# Altium PCB LED fix910 RD 2000278 (4F00223A_7P00493A).PcbDoc (part 3 of 3)
Units mm, origin at the board's own origin, x right, y up, seen from the top; angles counter-clockwise.
Board outline 400 x 514 mm, 2 copper layers (Top Layer, Bottom Layer); 391 components, 180 nets, 1316 pads, 0 vias.
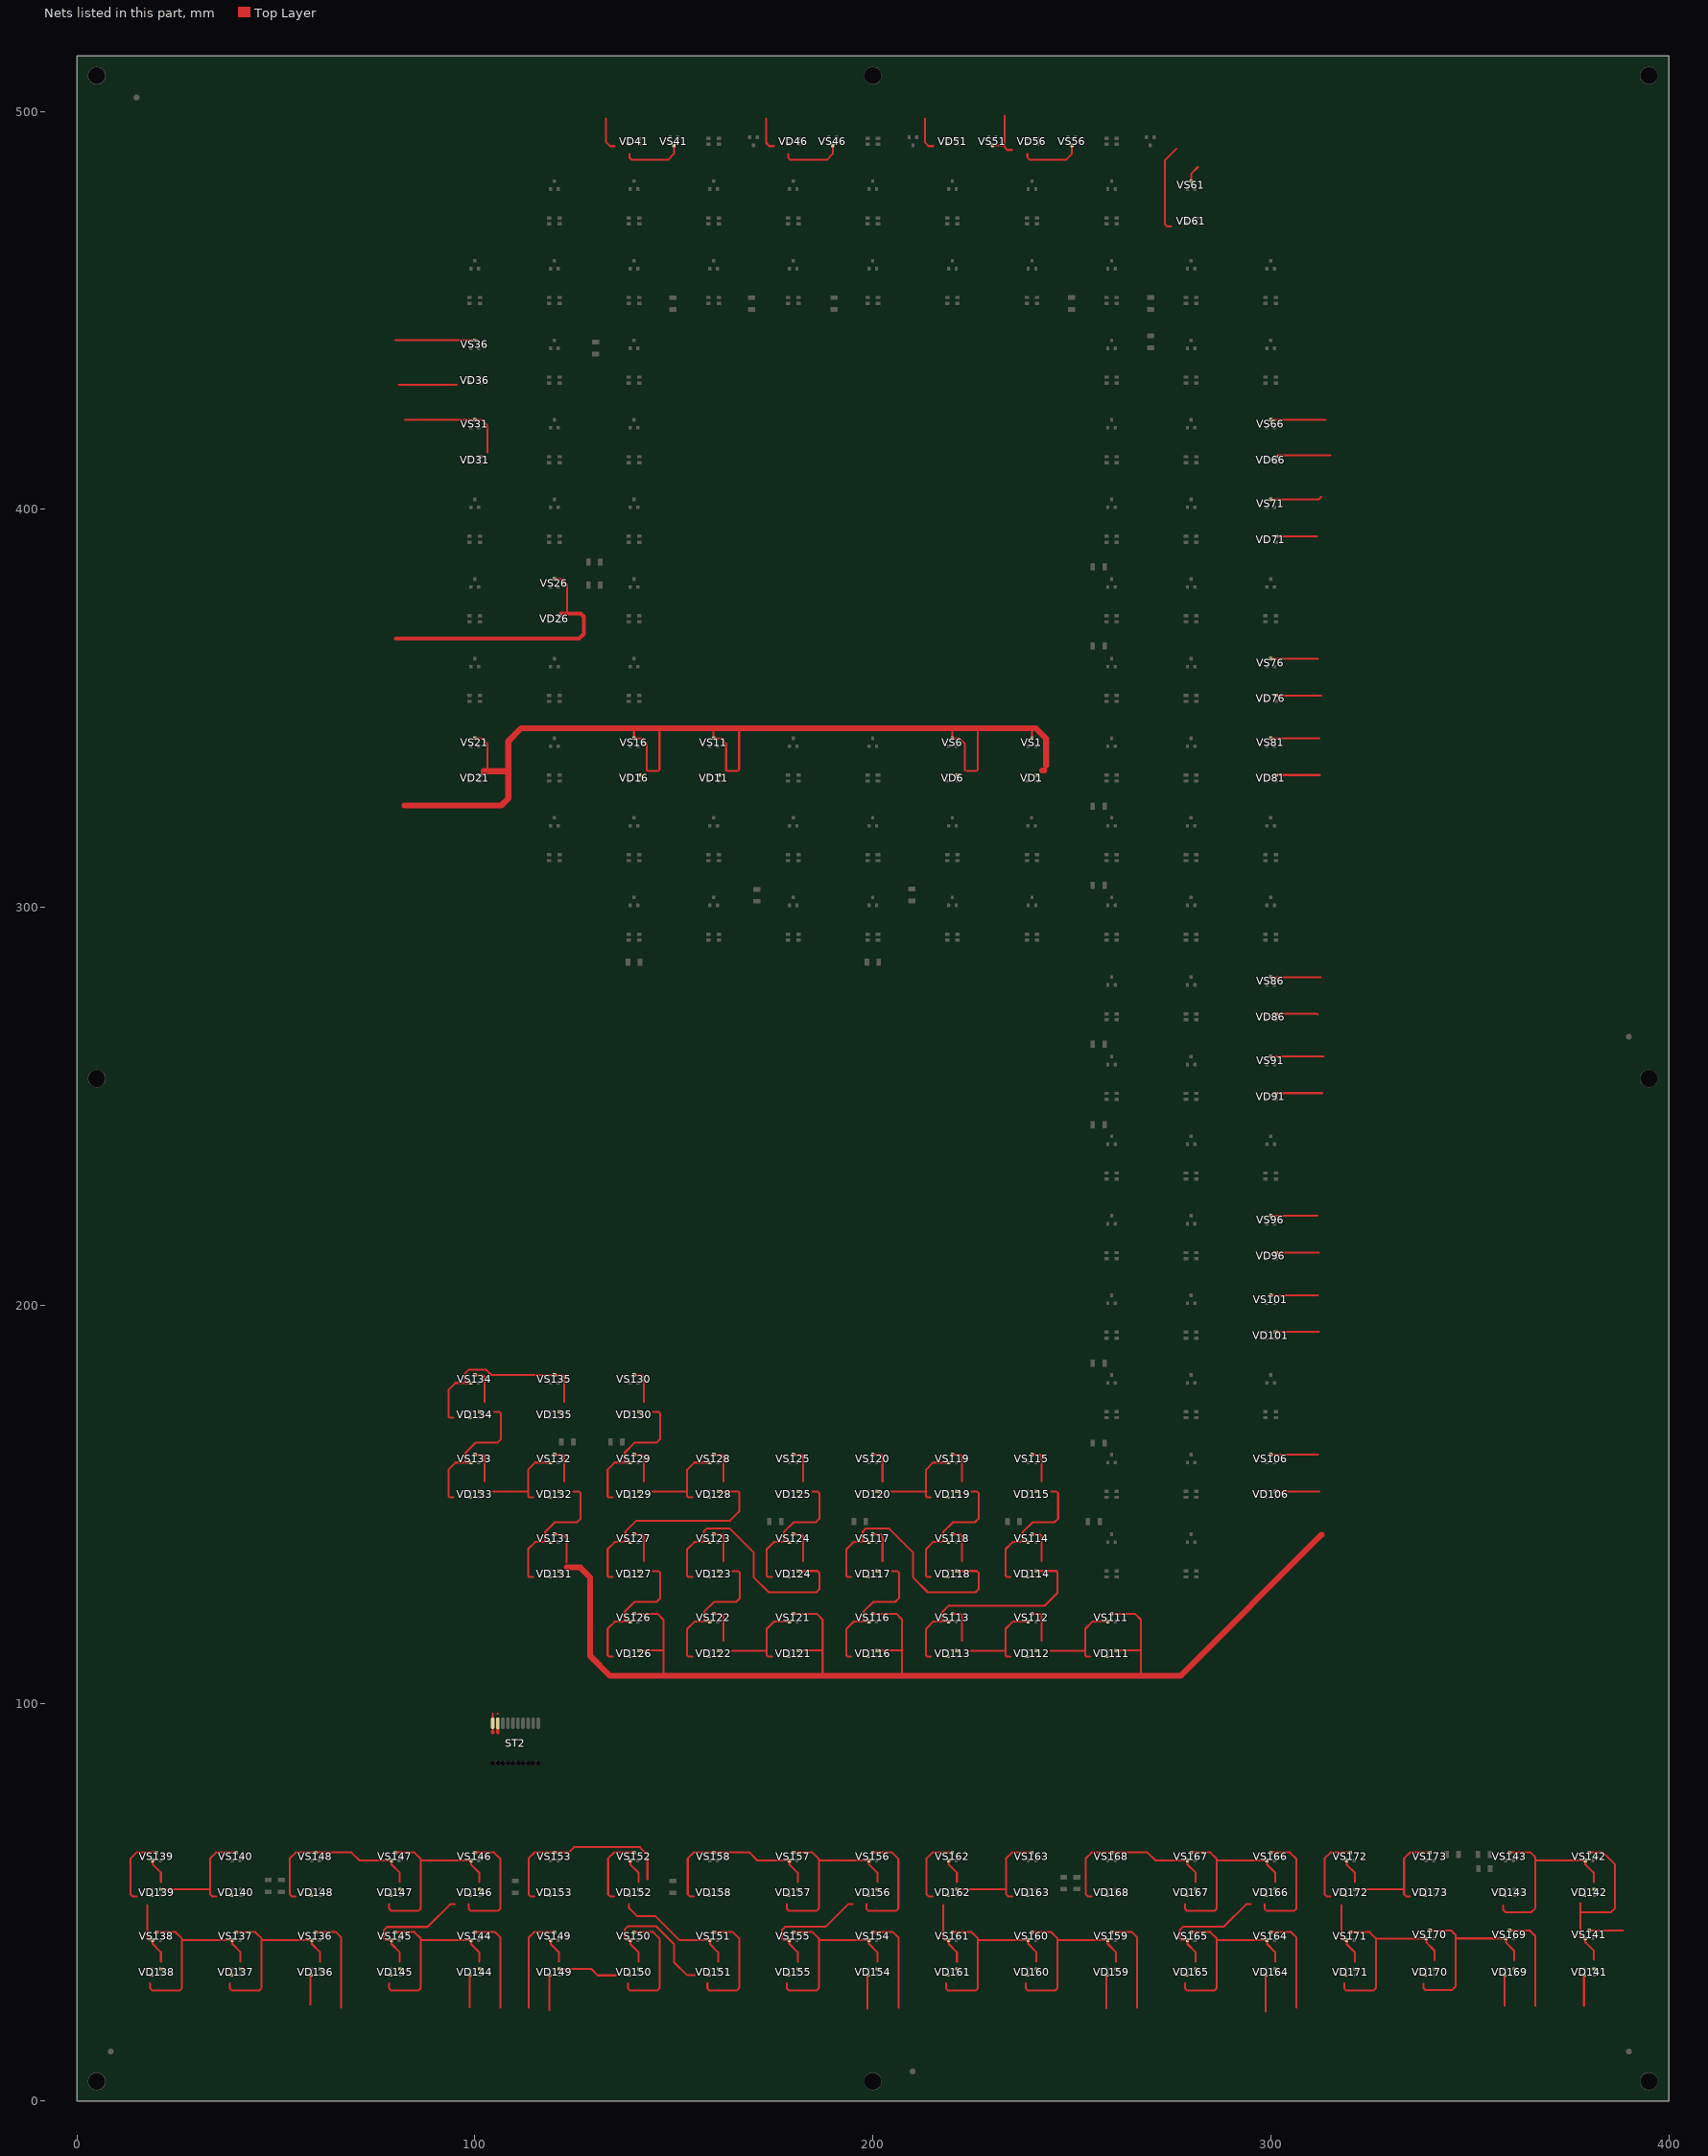
[diagram p3: the nets of this part, all layers, seen from the top]

## Nets (pads, with @x,y where several pads share a name; then routed paths per layer and width w, separated by ;. In a path a pad name is that pad's centre, name@x,y a point inside that pad or via, vN(x,y) a via of type N, cw(c..) or ccw(c..) an arc to the next point about the centre after c; other vN are vias at no path point) (continued)
NetVD111_1: VD111.1 VD112.2 VS111.1 VS112.3 | length 32.1
  Top Layer w0.5: VS112.3@240,122.5 242.025,122.5 242.45,122.075 242.45,115.75 ; 244.675,113.225 253.3,113.225 253.375,113.15 ; 254.6,111.75 253.668,111.75 253.375,112.043 253.375,113.15 ; VS111.1@259.05,120.5 255.15,120.5 253.375,118.725 253.375,113.15
NetVD112_1: VD112.1 VD113.2 VS112.1 VS113.3 | length 32.1
  Top Layer w0.5: VS113.3@220,122.5 222.025,122.5 222.45,122.075 222.45,115.75 ; 224.675,113.225 233.3,113.225 233.375,113.15 ; 234.6,111.75 233.668,111.75 233.375,112.043 233.375,113.15 ; VS112.1@239.05,120.5 235.15,120.5 233.375,118.725 233.375,113.15
NetVD113_1: VD113.1 VD114.2 VS113.1 VS114.3 | length 67.3
  Top Layer w0.5: 214.6,111.75 213.668,111.75 213.375,112.043 213.375,118.725 215.15,120.5 217.5,120.5 ; VS113.1@219.05,120.5 217.5,120.5 ; VS114.3@240,142.5 242.025,142.5 242.45,142.075 242.45,135.75 ; VD114.2@241.3,133.25 246.107,133.25 246.4,132.957 246.4,127.7 243.25,124.55 219.1,124.55 217.35,122.8 217.35,120.65 217.5,120.5
NetVD114_1: VD114.1 VD115.2 VS114.1 VS115.3 | length 44.5
  Top Layer w0.5: 234.6,131.75 233.668,131.75 233.375,132.043 233.375,138.725 235.15,140.5 VS114.1@239.05,140.5 ; 237.65,140.5 237.65,142.975 240.15,145.475 245.65,145.475 246.575,146.4 246.575,152.775 246.125,153.225 244.819,153.225 ; VS115.3@240,162.5 242.025,162.5 242.45,162.075 242.45,155.75
NetVD116_1: VD116.1 VD117.2 VS116.1 VS117.3 | length 44.5
  Top Layer w0.5: 194.6,111.75 193.668,111.75 193.375,112.043 193.375,118.725 195.15,120.5 VS116.1@199.05,120.5 ; 197.65,120.5 197.65,122.975 200.15,125.475 205.65,125.475 206.575,126.4 206.575,132.775 206.125,133.225 204.819,133.225 ; VS117.3@200,142.5 202.025,142.5 202.45,142.075 202.45,135.75
NetVD117_1: VD117.1 VD118.2 VS117.1 VS118.3 | length 75.7
  Top Layer w0.5: 194.6,131.75 193.668,131.75 193.375,132.043 193.375,138.725 195.15,140.5 VS117.1@199.05,140.5 ; 197.5,140.5 197.5,143.15 198.3,143.95 204,143.95 210.125,137.825 210.125,131.6 213.85,127.875 225.775,127.875 226.575,128.675 226.575,132.775 226.1,133.25 VD118.2@221.3,133.25 ; VS118.3@220,142.5 222.025,142.5 222.45,142.075 222.45,135.75
NetVD118_1: VD118.1 VD119.2 VS118.1 VS119.3 | length 44.5
  Top Layer w0.5: 214.6,131.75 213.668,131.75 213.375,132.043 213.375,138.725 215.15,140.5 VS118.1@219.05,140.5 ; 217.65,140.5 217.65,142.975 220.15,145.475 225.65,145.475 226.575,146.4 226.575,152.775 226.125,153.225 224.819,153.225 ; VS119.3@220,162.5 222.025,162.5 222.45,162.075 222.45,155.75
NetVD119_1: VD119.1 VD120.2 VS119.1 VS120.3 | length 32.1
  Top Layer w0.5: VS120.3@200,162.5 202.025,162.5 202.45,162.075 202.45,155.75 ; 204.675,153.225 213.3,153.225 213.375,153.15 ; 214.6,151.75 213.668,151.75 213.375,152.043 213.375,153.15 ; VS119.1@219.05,160.5 215.15,160.5 213.375,158.725 213.375,153.15
NetVD121_1: VD121.1 VD122.2 VS121.1 VS122.3 | length 32.1
  Top Layer w0.5: VS122.3@160,122.5 162.025,122.5 162.45,122.075 162.45,115.75 ; 164.675,113.225 173.3,113.225 173.375,113.15 ; 174.6,111.75 173.668,111.75 173.375,112.043 173.375,113.15 ; VS121.1@179.05,120.5 175.15,120.5 173.375,118.725 173.375,113.15
NetVD122_1: VD122.1 VD123.2 VS122.1 VS123.3 | length 44.5
  Top Layer w0.5: 154.6,111.75 153.668,111.75 153.375,112.043 153.375,118.725 155.15,120.5 VS122.1@159.05,120.5 ; 157.65,120.5 157.65,122.975 160.15,125.475 165.65,125.475 166.575,126.4 166.575,132.775 166.125,133.225 164.819,133.225 ; VS123.3@160,142.5 162.025,142.5 162.45,142.075 162.45,135.75
NetVD123_1: VD123.1 VD124.2 VS123.1 VS124.3 | length 75.7
  Top Layer w0.5: 154.6,131.75 153.668,131.75 153.375,132.043 153.375,138.725 155.15,140.5 157.5,140.5 ; VS123.1@159.05,140.5 157.5,140.5 ; VS124.3@180,142.5 182.025,142.5 182.45,142.075 182.45,135.75 ; VD124.2@181.3,133.25 186.1,133.25 186.575,132.775 186.575,128.675 185.775,127.875 173.85,127.875 170.125,131.6 170.125,137.825 164,143.95 158.3,143.95 157.5,143.15 157.5,140.5
NetVD124_1: VD124.1 VD125.2 VS124.1 VS125.3 | length 44.5
  Top Layer w0.5: 174.6,131.75 173.668,131.75 173.375,132.043 173.375,138.725 175.15,140.5 VS124.1@179.05,140.5 ; 177.65,140.5 177.65,142.975 180.15,145.475 185.65,145.475 186.575,146.4 186.575,152.775 186.125,153.225 184.819,153.225 ; VS125.3@180,162.5 182.025,162.5 182.45,162.075 182.45,155.75
NetVD126_1: VD126.1 VD127.2 VS126.1 VS127.3 | length 44.5
  Top Layer w0.5: 134.6,111.75 133.668,111.75 133.375,112.043 133.375,118.725 135.15,120.5 VS126.1@139.05,120.5 ; 137.65,120.5 137.65,122.975 140.15,125.475 145.65,125.475 146.575,126.4 146.575,132.775 146.125,133.225 144.819,133.225 ; VS127.3@140,142.5 142.025,142.5 142.45,142.075 142.45,135.75
NetVD127_1: VD127.1 VD128.2 VS127.1 VS128.3 | length 66.8
  Top Layer w0.5: 134.6,131.75 133.668,131.75 133.375,132.043 133.375,138.725 135.15,140.5 137.75,140.5 ; VS127.1@139.05,140.5 137.75,140.5 ; VS128.3@160,162.5 162.025,162.5 162.45,162.075 162.45,155.75 ; VD128.2@161.3,153.25 166.157,153.25 166.45,152.957 166.45,148.175 164.15,145.875 140.575,145.875 137.825,143.125 137.825,140.575 137.75,140.5
NetVD128_1: VD128.1 VD129.2 VS128.1 VS129.3 | length 32.1
  Top Layer w0.5: VS129.3@140,162.5 142.025,162.5 142.45,162.075 142.45,155.75 ; 144.675,153.225 153.3,153.225 153.375,153.15 ; 154.6,151.75 153.668,151.75 153.375,152.043 153.375,153.15 ; VS128.1@159.05,160.5 155.15,160.5 153.375,158.725 153.375,153.15
NetVD129_1: VD129.1 VD130.2 VS129.1 VS130.3 | length 44.5
  Top Layer w0.5: 134.6,151.75 133.668,151.75 133.375,152.043 133.375,158.725 135.15,160.5 VS129.1@139.05,160.5 ; 137.65,160.5 137.65,162.975 140.15,165.475 145.65,165.475 146.575,166.4 146.575,172.775 146.125,173.225 144.819,173.225 ; VS130.3@140,182.5 142.025,182.5 142.45,182.075 142.45,175.75
NetVD131_1: VD131.1 VD132.2 VS131.1 VS132.3 | length 44.5
  Top Layer w0.5: 114.6,131.75 113.668,131.75 113.375,132.043 113.375,138.725 115.15,140.5 VS131.1@119.05,140.5 ; 117.65,140.5 117.65,142.975 120.15,145.475 125.65,145.475 126.575,146.4 126.575,152.775 126.125,153.225 124.819,153.225 ; VS132.3@120,162.5 122.025,162.5 122.45,162.075 122.45,155.75
NetVD132_1: VD132.1 VD133.2 VS132.1 VS133.3 | length 32.1
  Top Layer w0.5: VS133.3@100,162.5 102.025,162.5 102.45,162.075 102.45,155.75 ; 104.675,153.225 113.3,153.225 113.375,153.15 ; 114.6,151.75 113.668,151.75 113.375,152.043 113.375,153.15 ; VS132.1@119.05,160.5 115.15,160.5 113.375,158.725 113.375,153.15
NetVD133_1: VD133.1 VD134.2 VS133.1 VS134.3 | length 44.5
  Top Layer w0.5: 94.6,151.75 93.668,151.75 93.375,152.043 93.375,158.725 95.15,160.5 97.65,160.5 ; VS133.1@99.05,160.5 97.65,160.5 ; VS134.3@100,182.5 102.025,182.5 102.45,182.075 102.45,175.75 ; 104.819,173.225 106.125,173.225 106.575,172.775 106.575,166.4 105.65,165.475 100.15,165.475 97.65,162.975 97.65,160.5
NetVD134_1: VD134.1 VD135.2 VS134.1 VS135.3 | length 49.1
  Top Layer w0.5: 94.6,171.75 93.668,171.75 93.375,172.043 93.375,178.725 95.15,180.5 97.55,180.5 ; VS134.1@99.05,180.5 97.55,180.5 ; 122.45,175.75 122.45,182.075 122.025,182.5 VS135.3@120,182.5 104.15,182.5 102.875,183.775 98.45,183.775 97.55,182.875 97.55,180.5
NetVD136_1: VD136.1 VD137.2 VS136.1 VS137.3 | length 48.1
  Top Layer w0.5: 38.45,29.575 38.45,28.35 39,27.8 45.8,27.8 46.425,28.425 46.425,40.575 46.425,40.9 44.825,42.5 VS137.3@40,42.5 ; 46.5,40.5 VS136.1@59.05,40.5 ; VS136.1@59.06,40.49 59.06,39.508 61.135,37.433 61.135,35.083
NetVD137_1: VD137.1 VD138.2 VS137.1 VS138.3 | length 48.2
  Top Layer w0.5: 18.45,29.575 18.45,28.35 19,27.8 25.8,27.8 26.425,28.425 26.425,40.575 ; VS138.3@20,42.5 24.825,42.5 26.425,40.9 26.425,40.575 ; VS137.1@39.05,40.5 26.5,40.5 26.425,40.575 ; VS137.1@39.06,40.49 39.06,39.508 41.135,37.433 41.135,35.083
NetVD138_1: VD138.1 VD139.2 VS138.1 VS139.3 | length 33.9
  Top Layer w0.5: 15,51.5 14,51.5 13.5,52 13.5,61 15,62.5 VS139.3@20,62.5 ; 17.75,49.292 17.75,40.967 18.208,40.51 VS138.1@19.04,40.51 ; VS138.1@19.06,40.49 19.06,39.508 21.135,37.433 21.135,35.083
NetVD139_1: VD139.1 VD140.2 VS139.1 VS140.3 | length 36.3
  Top Layer w0.5: VS139.1@19.06,60.49 19.06,59.508 21.135,57.433 21.135,55.083 ; VD139.1@21.3,53.25 33.475,53.25 33.5,53.225 ; 35,51.5 34,51.5 33.5,52 33.5,53.225 ; VS140.3@40,62.5 35,62.5 33.5,61 33.5,53.225
NetVD141_1: VD141.1 VD142.2 VS141.1 VS142.3 | length 44
  Top Layer w0.5: 377.75,49.7 377.75,47.5 ; VS142.3@380,62.5 383.5,62.5 386.5,59.5 386.5,48.5 385.5,47.5 377.75,47.5 ; 381.125,35.5 381.125,37.85 379.05,39.925 VS141.1@379.05,40.908 379.04,40.917 378.208,40.917 377.75,41.375 377.75,47.5
NetVD142_1: VD142.1 VD143.2 VS142.1 VS143.3 | length 48.4
  Top Layer w0.5: 358.35,49.125 358.35,48.125 358.975,47.5 365.5,47.5 366.5,48.5 366.5,60.525 ; VS143.3@360,62.5 365.275,62.5 366.5,61.275 366.5,60.525 ; VS142.1@379.05,60.5 366.525,60.5 366.5,60.525 ; VS142.1@379.06,60.49 379.06,59.508 381.135,57.433 381.135,55.083
NetVD144_1: VD144.1 VD145.2 VS144.1 VS145.3 | length 48.1
  Top Layer w0.5: 78.45,29.575 78.45,28.35 79,27.8 85.8,27.8 86.425,28.425 86.425,40.575 86.425,40.9 84.825,42.5 VS145.3@80,42.5 ; 86.5,40.5 VS144.1@99.05,40.5 ; VS144.1@99.06,40.49 99.06,39.508 101.135,37.433 101.135,35.083
NetVD145_1: VD145.1 VD146.2 VS145.1 VS146.3 | length 60.1
  Top Layer w0.5: VS145.1@79.05,40.5 77.525,40.5 77.2,40.825 77.2,43.05 77.95,43.8 88.1,43.8 93.8,49.5 94.95,49.5 ; VS145.1@79.06,40.49 79.06,39.508 81.135,37.433 81.135,35.083 ; 98.45,49.575 98.45,48.35 99,47.8 105.8,47.8 106.425,48.425 106.425,60.9 104.825,62.5 VS146.3@100,62.5
NetVD146_1: VD146.1 VD147.2 VS146.1 VS147.3 | length 48.1
  Top Layer w0.5: 78.45,49.575 78.45,48.35 79,47.8 85.8,47.8 86.425,48.425 86.425,60.575 86.425,60.9 84.825,62.5 VS147.3@80,62.5 ; 86.5,60.5 VS146.1@99.05,60.5 ; VS146.1@99.06,60.49 99.06,59.508 101.135,57.433 101.135,55.083
NetVD147_1: VD147.1 VD148.2 VS147.1 VS148.3 | length 44
  Top Layer w0.5: 55,51.5 54,51.5 53.5,52 53.5,61 55,62.5 VS148.3@60,62.5 69.025,62.5 71.025,60.5 VS147.1@79.05,60.5 ; VS147.1@79.06,60.49 79.06,59.508 81.135,57.433 81.135,55.083
NetVD149_1: VD149.1 VD150.2 VS149.1 VS150.3 | length 50.3
  Top Layer w0.5: VS149.1@119.06,40.49 119.06,39.508 121.135,37.433 121.135,35.083 ; VD149.1@121.3,33.25 129.25,33.25 130.875,31.625 135.375,31.625 ; 138.45,29.575 138.45,28.35 139,27.8 145.8,27.8 146.425,28.425 146.425,40.9 144.825,42.5 VS150.3@140,42.5
NetVD150_1: VD150.1 VD151.2 VS150.1 VS151.3 | length 64.9
  Top Layer w0.5: VS150.1@139.05,40.5 139.036,40.514 138.211,40.514 137.625,41.1 137.625,43.05 138.575,44 145.5,44 150.075,39.425 150.075,34.9 153.275,31.7 155.242,31.7 ; VS150.1@139.06,40.49 139.06,39.508 141.135,37.433 141.135,35.083 ; 158.45,29.575 158.45,28.35 159,27.8 165.8,27.8 166.425,28.425 166.425,40.9 164.825,42.5 VS151.3@160,42.5
NetVD151_1: VD151.1 VD152.2 VS151.1 VS152.3 | length 48.7
  Top Layer w0.5: 135,51.5 134,51.5 133.5,52 133.5,61 135,62.5 VS152.3@140,62.5 ; 138.775,49.475 138.775,48.5 140.725,46.55 145.325,46.55 151.375,40.5 VS151.1@159.05,40.5 ; VS151.1@159.06,40.49 159.06,39.508 161.135,37.433 161.135,35.083
NetVD152_1: VD152.1 VD153.2 VS152.1 VS153.3 | length 54.9
  Top Layer w0.5: 115,51.5 114,51.5 113.5,52 113.5,61 115,62.5 VS153.3@120,62.5 123.575,62.5 124.9,63.825 141.475,63.825 143.375,61.925 143.375,55.825 ; VS152.1@139.06,60.49 139.06,59.508 141.135,57.433 141.135,55.083
NetVD154_1: VD154.1 VD155.2 VS154.1 VS155.3 | length 48.1
  Top Layer w0.5: 178.45,29.575 178.45,28.35 179,27.8 185.8,27.8 186.425,28.425 186.425,40.575 186.425,40.9 184.825,42.5 VS155.3@180,42.5 ; 186.5,40.5 VS154.1@199.05,40.5 ; VS154.1@199.06,40.49 199.06,39.508 201.135,37.433 201.135,35.083
NetVD155_1: VD155.1 VD156.2 VS155.1 VS156.3 | length 60.1
  Top Layer w0.5: VS155.1@179.04,40.51 177.515,40.51 177.19,40.835 177.19,43.06 177.94,43.81 188.09,43.81 193.79,49.51 194.94,49.51 ; VS155.1@179.06,40.49 179.06,39.508 181.135,37.433 181.135,35.083 ; 198.45,49.575 198.45,48.35 199,47.8 205.8,47.8 206.425,48.425 206.425,60.575 206.425,60.9 204.825,62.5 VS156.3@200,62.5
NetVD156_1: VD156.1 VD157.2 VS156.1 VS157.3 | length 48.1
  Top Layer w0.5: 178.45,49.575 178.45,48.35 179,47.8 185.8,47.8 186.425,48.425 186.425,60.575 186.425,60.9 184.825,62.5 VS157.3@180,62.5 ; 186.5,60.5 VS156.1@199.05,60.5 ; VS156.1@199.06,60.49 199.06,59.508 201.135,57.433 201.135,55.083
NetVD157_1: VD157.1 VD158.2 VS157.1 VS158.3 | length 44
  Top Layer w0.5: 155,51.5 154,51.5 153.5,52 153.5,53.225 153.5,61 155,62.5 VS158.3@160,62.5 169.025,62.5 171.025,60.5 VS157.1@179.05,60.5 ; VS157.1@179.06,60.49 179.06,59.508 181.135,57.433 181.135,55.083
NetVD159_1: VD159.1 VD160.2 VS159.1 VS160.3 | length 48.1
  Top Layer w0.5: 238.45,29.575 238.45,28.35 239,27.8 245.8,27.8 246.425,28.425 246.425,40.575 246.425,40.9 244.825,42.5 VS160.3@240,42.5 ; 246.5,40.5 VS159.1@259.05,40.5 ; VS159.1@259.06,40.49 259.06,39.508 261.135,37.433 261.135,35.083
NetVD160_1: VD160.1 VD161.2 VS160.1 VS161.3 | length 48.1
  Top Layer w0.5: 218.45,29.575 218.45,28.35 219,27.8 225.8,27.8 226.425,28.425 226.425,40.575 226.425,40.9 224.825,42.5 VS161.3@220,42.5 ; 226.5,40.5 VS160.1@239.05,40.5 ; VS160.1@239.06,40.49 239.06,39.508 241.135,37.433 241.135,35.083
NetVD161_1: VD161.1 VD162.2 VS161.1 VS162.3 | length 33.9
  Top Layer w0.5: 215,51.5 214,51.5 213.5,52 213.5,53.225 213.5,61 215,62.5 VS162.3@220,62.5 ; 217.75,49.292 217.75,40.967 218.208,40.51 VS161.1@219.04,40.51 ; VS161.1@219.06,40.49 219.06,39.508 221.135,37.433 221.135,35.083
NetVD162_1: VD162.1 VD163.2 VS162.1 VS163.3 | length 36.3
  Top Layer w0.5: VS162.1@219.06,60.49 219.06,59.508 221.135,57.433 221.135,55.083 ; VD162.1@221.3,53.25 233.475,53.25 233.5,53.225 ; 235,51.5 234,51.5 233.5,52 233.5,53.225 ; VS163.3@240,62.5 235,62.5 233.5,61 233.5,53.225
NetVD164_1: VD164.1 VD165.2 VS164.1 VS165.3 | length 48.1
  Top Layer w0.5: 278.45,29.575 278.45,28.35 279,27.8 285.8,27.8 286.425,28.425 286.425,40.575 286.425,40.9 284.825,42.5 VS165.3@280,42.5 ; 286.5,40.5 VS164.1@299.05,40.5 ; VS164.1@299.06,40.49 299.06,39.508 301.135,37.433 301.135,35.083
NetVD165_1: VD165.1 VD166.2 VS165.1 VS166.3 | length 60.1
  Top Layer w0.5: VS165.1@279.04,40.51 277.515,40.51 277.19,40.835 277.19,43.06 277.94,43.81 288.09,43.81 293.79,49.51 294.94,49.51 ; VS165.1@279.06,40.49 279.06,39.508 281.135,37.433 281.135,35.083 ; 298.45,49.575 298.45,48.35 299,47.8 305.8,47.8 306.425,48.425 306.425,60.575 306.425,60.9 304.825,62.5 VS166.3@300,62.5
NetVD166_1: VD166.1 VD167.2 VS166.1 VS167.3 | length 48.1
  Top Layer w0.5: 278.45,49.575 278.45,48.35 279,47.8 285.8,47.8 286.425,48.425 286.425,60.575 286.425,60.9 284.825,62.5 VS167.3@280,62.5 ; 286.5,60.5 VS166.1@299.05,60.5 ; VS166.1@299.06,60.49 299.06,59.508 301.135,57.433 301.135,55.083
NetVD167_1: VD167.1 VD168.2 VS167.1 VS168.3 | length 44
  Top Layer w0.5: 255,51.5 254,51.5 253.5,52 253.5,53.225 253.5,61 255,62.5 VS168.3@260,62.5 269.025,62.5 271.025,60.5 VS167.1@279.05,60.5 ; VS167.1@279.06,60.49 279.06,59.508 281.135,57.433 281.135,55.083
NetVD169_1: VD169.1 VD170.2 VS169.1 VS170.3 | length 48.4
  Top Layer w0.5: 338.35,29.533 338.35,28.533 338.975,27.908 345.5,27.908 346.5,28.908 346.5,40.933 ; VS170.3@340,42.908 345.275,42.908 346.5,41.683 346.5,40.933 ; VS169.1@359.05,40.908 346.525,40.908 346.5,40.933 ; VS169.1@359.06,40.898 359.06,39.915 361.135,37.84 361.135,35.49
NetVD170_1: VD170.1 VD171.2 VS170.1 VS171.3 | length 48.2
  Top Layer w0.5: 318.45,29.575 318.45,28.35 319,27.8 325.8,27.8 326.425,28.425 326.425,40.9 324.825,42.5 VS171.3@320,42.5 ; 326.425,40.898 339.06,40.898 339.06,39.915 341.135,37.84 341.135,35.49
NetVD171_1: VD171.1 VD172.2 VS171.1 VS172.3 | length 33.9
  Top Layer w0.5: 315,51.5 314,51.5 313.5,52 313.5,53.225 313.5,61 315,62.5 VS172.3@320,62.5 ; 317.75,49.292 317.75,40.967 318.208,40.51 VS171.1@319.04,40.51 ; VS171.1@319.06,40.49 319.06,39.508 321.135,37.433 321.135,35.083
NetVD172_1: VD172.1 VD173.2 VS172.1 VS173.3 | length 36.3
  Top Layer w0.5: VS172.1@319.06,60.49 319.06,59.508 321.135,57.433 321.135,55.083 ; VD172.1@321.3,53.25 321.325,53.225 333.5,53.225 ; 335,51.5 334,51.5 333.5,52 333.5,53.225 ; VS173.3@340,62.5 335,62.5 333.5,61 333.5,53.225
ULED: ST2.1 ST2.2 VD1.2 VD6.2 VD11.2 VD16.2 VD21.2 VD26.2 VD31.2 VD36.2 VD41.2 VD46.2 VD51.2 VD56.2 VD61.2 VD66.2 VD71.2 VD76.2 VD81.2 VD86.2 VD91.2 VD96.2 VD101.2 VD106.2 VD111.2 VD116.2 VD121.2 VD126.2 VD131.2 VD136.2 VD141.2 VD144.2 VD149.2 VD154.2 VD159.2 VD164.2 VD169.2 VS1.3 VS6.3 VS11.3 VS16.3 VS21.3 VS26.3 VS31.3 VS36.3 VS41.3 VS46.3 VS51.3 VS56.3 VS61.3 VS66.3 VS71.3 VS76.3 VS81.3 VS86.3 VS91.3 VS96.3 VS101.3 VS106.3 VS111.3 VS116.3 VS121.3 VS126.3 VS131.3 VS136.3 VS141.3 VS144.3 VS149.3 VS154.3 VS159.3 VS164.3 VS169.3 | length 1342.3
  Top Layer w0.5: 58.625,24.4 58.7,24.475 VD136.2@58.7,31.75 ; VS136.3@60,42.5 65.092,42.5 66.45,41.142 66.45,23.542 ; 80.075,442.5 VS36.3@100,442.5 ; 80.925,431.275 95.4,431.275 ; 82.475,422.5 VS31.3@100,422.5 101.75,422.5 103.15,421.1 103.15,414.35 ; 98.7,23.625 VD144.2@98.7,31.75 ; VS144.3@100,42.5 105.092,42.5 106.45,41.142 106.45,23.542 ; VS21.3@100,342.5 101.75,342.5 103.15,341.1 103.15,334.35 ; 104.475,97.325 104.45,97.3 104.5,97.25 ST2.1@104.5,95 104.5,92.85 ; 105.77,92.63 105.9,92.5 ; 105.77,97.37 105.825,97.425 ; 113.55,23.542 113.55,41.142 114.907,42.5 VS149.3@120,42.5 ; 118.7,22.95 VD149.2@118.7,31.75 ; VS131.3@120,142.5 121.9,142.5 123.1,141.3 123.1,135.4 ; VS26.3@120,382.5 121.75,382.5 123.15,381.1 123.15,374.35 ; 132.9,498.225 132.9,492.4 134,491.3 135.15,491.3 ; 138.825,489.325 138.85,489.3 138.85,488.425 139.45,487.825 148.525,487.825 150.034,489.334 VS41.3@150.034,491.5 ; VS126.3@140,122.5 145.9,122.5 147.375,121.025 147.375,106.9 ; 140,345.025 VS16.3@140,342.5 141.75,342.5 143.15,341.1 143.15,334.35 ; VD126.2@141.3,113.25 147.35,113.25 ; 143.575,334.325 146.107,334.325 146.4,334.618 146.4,345.025 ; 160.025,345.025 160,345 VS11.3@160,342.5 161.75,342.5 163.15,341.1 163.15,334.35 ; 163.575,334.325 166.107,334.325 166.4,334.618 166.4,345.025 ; 173.225,498.276 173.225,492.075 174,491.3 175.15,491.3 ; 178.744,489.3 178.744,488.425 179.344,487.825 188.419,487.825 189.928,489.334 VS46.3@189.928,491.5 ; VS121.3@180,122.5 185.9,122.5 187.375,121.025 187.375,106.9 ; VD121.2@181.3,113.25 187.35,113.25 ; 198.7,23.2 VD154.2@198.7,31.75 ; VS154.3@200,42.5 205.092,42.5 206.45,41.142 206.45,23.542 ; VS116.3@200,122.5 205.9,122.5 207.375,121.025 207.375,106.9 ; VD116.2@201.3,113.25 207.35,113.25 ; 213.15,498.262 213.15,492.15 214,491.3 215.15,491.3 ; 219.925,345.025 220,344.95 VS6.3@220,342.5 221.75,342.5 223.15,341.1 223.15,334.35 ; 223.575,334.325 226.107,334.325 226.4,334.618 226.4,345.025 ; VS51.3@230.081,491.5 233.025,491.5 233.1,491.425 ; 233.15,498.95 233.15,490.95 233.775,490.325 234.95,490.325 ; 238.852,489.3 238.852,488.425 239.452,487.825 248.527,487.825 250.036,489.334 VS56.3@250.036,491.5 ; VS1.3@240,342.5 240,344.95 ; 243.575,335.65 243.7,335.525 ; 258.7,23.425 VD159.2@258.7,31.75 ; VS159.3@260,42.5 265.092,42.5 266.45,41.142 266.45,23.542 ; VS111.3@260,122.5 265.9,122.5 267.375,121.025 267.375,113.275 ; VD111.2@261.3,113.25 267.35,113.25 267.375,113.275 ; 267.375,106.9 267.375,113.275 ; 274.978,471.088 273.962,471.088 273.425,471.625 273.425,487.775 276.325,490.675 ; VS61.3@280,482.5 280,484.35 281.7,486.05 ; 298.7,22.5 VD164.2@298.7,31.75 ; VS164.3@300,42.5 305.092,42.5 306.45,41.142 306.45,23.542 ; VS106.3@300,162.5 311.85,162.5 ; VS101.3@300,202.5 311.9,202.5 ; VS96.3@300,222.5 311.725,222.5 ; VS91.3@300,262.5 313.3,262.5 ; VS86.3@300,282.5 300.025,282.475 312.575,282.475 ; VS81.3@300,342.5 312.25,342.5 ; VS76.3@300,362.5 311.85,362.5 ; VS71.3@300,402.5 312.05,402.5 312.7,403.15 ; VS66.3@300,422.5 313.725,422.5 ; VD106.2@301.3,153.25 312.25,153.25 ; VD101.2@301.3,193.25 301.4,193.35 312.1,193.35 ; VD96.2@301.3,213.25 312.05,213.25 ; VD91.2@301.3,253.25 301.375,253.325 312.9,253.325 ; VD86.2@301.3,273.25 311.625,273.25 311.775,273.1 ; VD81.2@301.3,333.25 312.375,333.25 ; VD76.2@301.3,353.25 301.325,353.225 312.725,353.225 ; VD71.2@301.3,393.25 311.525,393.25 311.55,393.275 ; VD66.2@301.3,413.25 301.45,413.25 301.825,413.625 315.025,413.625 ; 358.7,24 VD169.2@358.7,31.75 ; VS169.3@360,42.908 365.092,42.908 366.45,41.55 366.45,23.95 ; 378.7,24 VD141.2@378.7,31.75 ; VS141.3@380,42.908 380,42.9 380.025,42.875 388.5,42.875
  Top Layer w0.9: 104.5,92.63 104.5,92.85 ; 105.77,92.63 ST2.2@105.77,95
  Top Layer w1: 80.225,367.525 126.225,367.525 127.4,368.7 127.4,373.031 126.606,373.825 121.65,373.825
  Top Layer w1.5: 82.325,325.6 106.625,325.6 108.4,327.375 108.4,341.75 111.675,345.025 140,345.025 146.4,345.025 160.025,345.025 166.4,345.025 219.925,345.025 226.4,345.025 240.95,345.025 243.575,342.4 243.575,335.65 ; 102.2,334.2 108.025,334.2 ; 123.1,134.125 126.475,134.125 129,131.6 129,111.85 133.95,106.9 267.375,106.9 277.3,106.9 312.775,142.375 ; 242.525,334.4 243.15,334.4
pads on no net: 2.1 3.1 4.1 5.1 6.1 7.1 8.1 9.1 ST2.3 ST2.7 ST2.11 ST2.12 ST2.13 ST2.14 ST2.15 ST2.16 ST2.17 ST2.18 ST2.19 ST2.20 VD1.3 VD1.4 VD2.3 VD2.4 VD3.3 VD3.4 VD4.3 VD4.4 VD5.3 VD5.4 VD6.3 VD6.4 VD7.3 VD7.4 VD8.3 VD8.4 VD9.3 VD9.4 VD10.3 VD10.4 VD11.3 VD11.4 VD12.3 VD12.4 VD13.3 VD13.4 VD14.3 VD14.4 VD15.3 VD15.4 VD16.3 VD16.4 VD17.3 VD17.4 VD18.3 VD18.4 VD19.3 VD19.4 VD20.3 VD20.4 VD21.3 VD21.4 VD22.3 VD22.4 VD23.3 VD23.4 VD24.3 VD24.4 VD25.3 VD25.4 VD26.3 VD26.4 VD27.3 VD27.4 VD28.3 VD28.4 VD29.3 VD29.4 VD30.3 VD30.4 VD31.3 VD31.4 VD32.3 VD32.4 VD33.3 VD33.4 VD34.3 VD34.4 VD35.3 VD35.4 VD36.3 VD36.4 VD37.3 VD37.4 VD38.3 VD38.4 VD39.3 VD39.4 VD40.3 VD40.4 VD41.3 VD41.4 VD42.3 VD42.4 VD43.3 VD43.4 VD44.3 VD44.4 VD45.3 VD45.4 VD46.3 VD46.4 VD47.3 VD47.4 VD48.3 VD48.4 VD49.3 VD49.4 VD50.3 VD50.4 VD51.3 VD51.4 VD52.3 VD52.4 VD53.3 VD53.4 VD54.3 VD54.4 VD55.3 VD55.4 VD56.3 VD56.4 VD57.3 VD57.4 VD58.3 VD58.4 VD59.3 VD59.4 VD60.3 VD60.4 VD61.3 VD61.4 VD62.3 VD62.4 VD63.3 VD63.4 VD64.3 VD64.4 VD65.3 VD65.4 VD66.3 VD66.4 VD67.3 VD67.4 VD68.3 VD68.4 VD69.3 VD69.4 VD70.3 VD70.4 VD71.3 VD71.4 VD72.3 VD72.4 VD73.3 VD73.4 VD74.3 VD74.4 VD75.3 VD75.4 VD76.3 VD76.4 VD77.3 VD77.4 VD78.3 VD78.4 VD79.3 VD79.4 VD80.3 VD80.4 VD81.3 VD81.4 VD82.3 VD82.4 VD83.3 VD83.4 VD84.3 VD84.4 VD85.3 VD85.4 VD86.3 VD86.4 VD87.3 VD87.4 VD88.3 VD88.4 VD89.3 VD89.4 VD90.3 VD90.4 VD91.3 VD91.4 VD92.3 VD92.4 VD93.3 VD93.4 VD94.3 VD94.4 VD95.3 VD95.4 VD96.3 VD96.4 VD97.3 VD97.4 VD98.3 VD98.4 VD99.3 VD99.4 VD100.3 VD100.4 VD101.3 VD101.4 VD102.3 VD102.4 VD103.3 VD103.4 VD104.3 VD104.4 VD105.3 VD105.4 VD106.3 VD106.4 VD107.3 VD107.4 VD108.3 VD108.4 VD109.3 VD109.4 VD110.3 VD110.4 VD111.3 VD111.4 VD112.3 VD112.4 VD113.3 VD113.4 VD114.3 VD114.4 VD115.3 VD115.4 VD116.3 VD116.4 VD117.3 VD117.4 VD118.3 VD118.4 VD119.3 VD119.4 VD120.3 VD120.4 VD121.3 VD121.4 VD122.3 VD122.4 VD123.3 VD123.4 VD124.3 VD124.4 VD125.3 VD125.4 VD126.3 VD126.4 VD127.3 VD127.4 VD128.3 VD128.4 VD129.3 VD129.4 VD130.3 VD130.4 VD131.3 VD131.4 VD132.3 VD132.4 VD133.3 VD133.4 VD134.3 VD134.4 VD135.3 VD135.4 VD136.3 VD136.4 VD137.3 VD137.4 VD138.3 VD138.4 VD139.3 VD139.4 VD140.3 VD140.4 VD141.3 VD141.4 VD142.3 VD142.4 VD143.3 VD143.4 VD144.3 VD144.4 VD145.3 VD145.4 VD146.3 VD146.4 VD147.3 VD147.4 VD148.3 VD148.4 VD149.3 VD149.4 VD150.3 VD150.4 VD151.3 VD151.4 VD152.3 VD152.4 VD153.3 VD153.4 VD154.3 VD154.4 VD155.3 VD155.4 VD156.3 VD156.4 VD157.3 VD157.4 VD158.3 VD158.4 VD159.3 VD159.4 VD160.3 VD160.4 VD161.3 VD161.4 VD162.3 VD162.4 VD163.3 VD163.4 VD164.3 VD164.4 VD165.3 VD165.4 VD166.3 VD166.4 VD167.3 VD167.4 VD168.3 VD168.4 VD169.3 VD169.4 VD170.3 VD170.4 VD171.3 VD171.4 VD172.3 VD172.4 VD173.3 VD173.4 VS1.2 VS2.2 VS3.2 VS4.2 VS5.2 VS6.2 VS7.2 VS8.2 VS9.2 VS10.2 VS11.2 VS12.2 VS13.2 VS14.2 VS15.2 VS16.2 VS17.2 VS18.2 VS19.2 VS20.2 VS21.2 VS22.2 VS23.2 VS24.2 VS25.2 VS26.2 VS27.2 VS28.2 VS29.2 VS30.2 VS31.2 VS32.2 VS33.2 VS34.2 VS35.2 VS36.2 VS37.2 VS38.2 VS39.2 VS40.2 VS41.2 VS42.2 VS43.2 VS44.2 VS45.2 VS46.2 VS47.2 VS48.2 VS49.2 VS50.2 VS51.2 VS52.2 VS53.2 VS54.2 VS55.2 VS56.2 VS57.2 VS58.2 VS59.2 VS60.2 VS61.2 VS62.2 VS63.2 VS64.2 VS65.2 VS66.2 VS67.2 VS68.2 VS69.2 VS70.2 VS71.2 VS72.2 VS73.2 VS74.2 VS75.2 VS76.2 VS77.2 VS78.2 VS79.2 VS80.2 VS81.2 VS82.2 VS83.2 VS84.2 VS85.2 VS86.2 VS87.2 VS88.2 VS89.2 VS90.2 VS91.2 VS92.2 VS93.2 VS94.2 VS95.2 VS96.2 VS97.2 VS98.2 VS99.2 VS100.2 VS101.2 VS102.2 VS103.2 VS104.2 VS105.2 VS106.2 VS107.2 VS108.2 VS109.2 VS110.2 VS111.2 VS112.2 VS113.2 VS114.2 VS115.2 VS116.2 VS117.2 VS118.2 VS119.2 VS120.2 VS121.2 VS122.2 VS123.2 VS124.2 VS125.2 VS126.2 VS127.2 VS128.2 VS129.2 VS130.2 VS131.2 VS132.2 VS133.2 VS134.2 VS135.2 VS136.2 VS137.2 VS138.2 VS139.2 VS140.2 VS141.2 VS142.2 VS143.2 VS144.2 VS145.2 VS146.2 VS147.2 VS148.2 VS149.2 VS150.2 VS151.2 VS152.2 VS153.2 VS154.2 VS155.2 VS156.2 VS157.2 VS158.2 VS159.2 VS160.2 VS161.2 VS162.2 VS163.2 VS164.2 VS165.2 VS166.2 VS167.2 VS168.2 VS169.2 VS170.2 VS171.2 VS172.2 VS173.2
copper on no net: | length 136.9
  Top Layer w0.05: 71.863,81.157 ccw(c71.838,81.157) 71.863,81.157
  Top Layer w0.1: 68.545,82.18 69.079,82.18 ; 68.561,82.106 69.091,82.106 ; 68.578,82.031 69.103,82.031 ; 68.594,81.956 69.115,81.956 ; 68.611,81.882 69.126,81.882 ; 68.627,81.807 69.138,81.807 ; 68.643,81.732 69.15,81.732 ; 68.66,81.658 69.162,81.658 ; 68.676,81.583 69.173,81.583 ; 68.693,81.508 69.185,81.508 ; 68.709,81.434 69.197,81.434 ; 68.726,81.359 69.209,81.359 ; 68.742,81.284 69.221,81.284 ; 68.758,81.21 69.232,81.21 ; 68.775,81.135 69.244,81.135 ; 68.791,81.06 69.256,81.06 ; 68.808,80.986 69.268,80.986 ; 68.824,80.911 69.279,80.911 ; 68.84,80.836 69.291,80.836 ; 68.857,80.762 69.334,80.762 ; 68.873,80.687 69.744,80.687 ; 68.89,80.612 69.733,80.612 ; 68.906,80.538 69.722,80.538 ; 68.923,80.463 69.712,80.463 ; 68.939,80.388 69.701,80.388 ; 68.955,80.313 69.69,80.313 ; 68.972,80.239 69.679,80.239 ; 68.988,80.164 69.668,80.164 ; 69.005,80.089 69.658,80.089 ; 69.021,80.015 69.647,80.015 ; 69.037,79.94 69.636,79.94 ; 69.054,79.865 69.625,79.865 ; 69.355,80.762 69.755,80.762 ; 69.401,80.836 69.766,80.836 ; 69.413,80.911 69.776,80.911 ; 69.425,80.986 69.787,80.986 ; 69.437,81.06 69.798,81.06 ; 69.449,81.135 69.81,81.135 ; 69.46,81.21 70.254,81.21 ; 69.472,81.284 70.243,81.284 ; 69.484,81.359 70.231,81.359 ; 69.496,81.434 70.22,81.434 ; 69.508,81.508 70.208,81.508 ; 69.52,81.583 70.197,81.583 ; 69.531,81.658 70.186,81.658 ; 69.543,81.732 70.174,81.732 ; 69.555,81.807 70.163,81.807 ; 69.567,81.882 70.151,81.882 ; 69.579,81.956 70.14,81.956 ; 69.591,82.031 70.128,82.031 ; 69.603,82.106 70.117,82.106 ; 69.614,82.18 70.106,82.18 ; 69.902,81.135 70.265,81.135 ; 69.916,81.06 70.277,81.06 ; 69.927,80.986 70.288,80.986 ; 69.938,80.911 70.3,80.911 ; 69.949,80.836 70.311,80.836 ; 69.959,80.762 70.331,80.762 ; 69.97,80.687 70.839,80.687 ; 69.981,80.612 70.823,80.612 ; 69.992,80.538 70.806,80.538 ; 70.003,80.463 70.789,80.463 ; 70.013,80.388 70.773,80.388 ; 70.024,80.313 70.756,80.313 ; 70.035,80.239 70.739,80.239 ; 70.046,80.164 70.723,80.164 ; 70.057,80.089 70.706,80.089 ; 70.067,80.015 70.689,80.015 ; 70.078,79.94 70.673,79.94 ; 70.089,79.865 70.656,79.865 ; 70.404,80.762 70.856,80.762 ; 70.426,80.836 70.873,80.836 ; 70.438,80.911 70.889,80.911 ; 70.45,80.986 70.906,80.986 ; 70.462,81.06 70.923,81.06 ; 70.474,81.135 70.939,81.135 ; 70.486,81.21 70.956,81.21 ; 70.498,81.284 70.973,81.284 ; 70.51,81.359 70.989,81.359 ; 70.522,81.434 71.006,81.434 ; 70.534,81.508 71.023,81.508 ; 70.546,81.583 71.039,81.583 ; 70.558,81.658 71.056,81.658 ; 70.57,81.732 71.073,81.732 ; 70.582,81.807 71.089,81.807 ; 70.594,81.882 71.106,81.882 ; 70.606,81.956 71.123,81.956 ; 70.618,82.031 71.139,82.031 ; 70.63,82.106 71.156,82.106 ; 70.642,82.18 71.173,82.18 ; 71.359,79.851 71.844,79.851 ; 71.359,79.926 71.844,79.926 ; 71.359,80 71.844,80 ; 71.359,80.075 71.843,80.075 ; 71.359,80.15 71.843,80.15 ; 71.359,80.224 71.843,80.224 ; 71.359,80.299 71.842,80.299 ; 71.359,80.374 71.842,80.374 ; 71.359,80.448 71.842,80.448 ; 71.359,80.523 71.841,80.523 ; 71.359,80.598 71.841,80.598 ; 71.359,80.672 71.841,80.672 ; 71.359,80.747 71.84,80.747 ; 71.359,80.822 71.84,80.822 ; 71.359,80.896 71.84,80.896 ; 71.359,80.971 71.839,80.971 ; 71.359,81.046 71.839,81.046 ; 71.359,81.12 71.839,81.12 ; 71.359,81.195 71.859,81.195 ; 71.359,81.27 72.279,81.27 ; 71.359,81.344 72.265,81.344 ; 71.359,81.419 72.252,81.419 ; 71.359,81.494 72.238,81.494 ; 71.359,81.568 72.225,81.568 ; 71.359,81.643 72.211,81.643 ; 71.359,81.718 72.197,81.718 ; 71.359,81.792 72.184,81.792 ; 71.359,81.867 72.17,81.867 ; 71.359,81.942 72.157,81.942 ; 71.359,82.016 72.143,82.016 ; 71.359,82.091 72.129,82.091 ; 71.359,82.166 72.116,82.166 ; 71.92,81.195 72.293,81.195 ; 71.947,81.12 72.306,81.12 ; 71.962,81.046 72.32,81.046 ; 71.978,80.971 72.333,80.971 ; 71.993,80.896 72.347,80.896 ; 72.008,80.822 72.369,80.822 ; 72.024,80.747 72.783,80.747 ; 72.039,80.672 72.768,80.672 ; 72.055,80.598 72.753,80.598 ; 72.07,80.523 72.738,80.523 ; 72.085,80.448 72.723,80.448 ; 72.101,80.374 72.708,80.374 ; 72.116,80.299 72.693,80.299 ; 72.131,80.224 72.678,80.224 ; 72.147,80.15 72.663,80.15 ; 72.162,80.075 72.648,80.075 ; 72.177,80 72.633,80 ; 72.193,79.926 72.618,79.926 ; 72.208,79.851 72.603,79.851 ; 72.44,80.822 72.798,80.822 ; 72.464,80.896 72.813,80.896 ; 72.477,80.971 72.828,80.971 ; 72.491,81.046 72.843,81.046 ; 72.504,81.12 72.858,81.12 ; 72.517,81.195 72.888,81.195 ; 72.53,81.27 73.446,81.27 ; 72.544,81.344 73.446,81.344 ; 72.557,81.419 73.446,81.419 ; 72.57,81.494 73.446,81.494 ; 72.584,81.568 73.446,81.568 ; 72.597,81.643 73.446,81.643 ; 72.61,81.718 73.446,81.718 ; 72.623,81.792 73.446,81.792 ; 72.637,81.867 73.446,81.867 ; 72.65,81.942 73.446,81.942 ; 72.663,82.016 73.446,82.016 ; 72.677,82.091 73.446,82.091 ; 72.69,82.166 73.446,82.166 ; 72.945,81.195 73.446,81.195 ; 72.967,79.851 73.446,79.851 ; 72.967,79.926 73.446,79.926 ; 72.967,80 73.446,80 ; 72.967,80.075 73.446,80.075 ; 72.967,80.15 73.446,80.15 ; 72.967,80.224 73.446,80.224 ; 72.967,80.299 73.446,80.299 ; 72.967,80.374 73.446,80.374 ; 72.967,80.448 73.446,80.448 ; 72.967,80.523 73.446,80.523 ; 72.967,80.598 73.446,80.598 ; 72.967,80.672 73.446,80.672 ; 72.967,80.747 73.446,80.747 ; 72.967,80.822 73.446,80.822 ; 72.967,80.896 73.446,80.896 ; 72.967,80.971 73.446,80.971 ; 72.967,81.046 73.446,81.046 ; 72.967,81.12 73.446,81.12 ; 68.536,82.22 69.073,82.22 69.297,80.801 69.311,80.773 69.339,80.759 69.346,80.759 69.376,80.769 69.394,80.794 69.396,80.801 69.62,82.213 70.101,82.213 70.319,80.786 70.333,80.758 70.361,80.744 70.368,80.744 70.398,80.754 70.416,80.779 70.418,80.786 70.648,82.212 71.178,82.206 70.639,79.791 70.1,79.791 69.907,81.126 69.893,81.154 69.864,81.169 69.857,81.169 69.827,81.159 69.809,81.133 69.808,81.126 69.615,79.791 69.069,79.798 68.536,82.22 ; 71.359,79.783 71.844,79.783 71.838,81.157 71.842,81.175 71.862,81.199 71.893,81.207 71.922,81.194 71.937,81.167 72.222,79.783 72.589,79.783 72.867,81.167 72.875,81.184 72.899,81.204 72.931,81.205 72.957,81.187 72.967,81.157 72.967,79.783 73.446,79.776 73.446,82.205 72.697,82.205 72.455,80.845 72.452,80.835 72.431,80.811 72.4,80.804 72.371,80.818 72.356,80.845 72.109,82.205 71.359,82.205 71.359,79.783
  Top Layer w0.65: 67.653,81.933 cw(c67.655,81.376) 67.704,80.821

## Polygon pours and split planes (outlines as drawn)
ULED on Top Layer "Top Layer, Top-+ULED1" (solid, remove dead copper, pour order 0): 83.875,235.376 83.875,451.95 129.112,497.187 269.488,497.187 311.313,455.363 318.138,457.838 272.275,503.7 126.2,503.7 77.35,454.85 77.35,97.9 39.35,97.9 6,64.55 6,19 394,19 394,69.725 318.138,145.587 318.138,457.837 311.312,455.363 311.312,142.85 387.5,66.662 387.5,24.675 12.5,24.675 12.5,61.5 42.25,91.25 106.5,91.25 106.5,97.9 83.875,97.9

## Keep-outs
Top Layer:
  circle w0.013: c15,503.5 r2.066
  circle w0.013: c390,267.5 r2.066
  circle w0.013: c390,12.5 r2.066
  circle w0.013: c210,7.5 r2.066
  circle w0.013: c8.5,12.5 r2.066

## Other copper
Top Layer:
  region: 66.8,82.265 67.675,82.265 67.675,81.608 66.8,81.608
  region: 67,81.129 67.731,81.129 67.731,80.5 67,80.5
  region: 66.709,82.265 67.374,82.265 67.374,79.75 66.709,79.75
  text "1" at 102.5,80.5 h1.59
  text "10" at 115,80.5 h1.59
  text "Art. Nr." at 66.75,76 h1.59
  text "34001645 Rev.A" at 76.75,76 h1.59
  text "ADV" at 175.925,2.6 h1.59
  text "2000278 Seg1" at 120,2.5 h1.59
  text "7P00493A" at 145,2.5 h1.59
  text "2220" at 159,2.5 h1.59

## Silkscreen, mask and mechanical layers (free items; w line width, h text height)
Leds:
  drawing of 519 lines, arcs and shapes, not listed
Mechanical 7:
  circle w0.025: c200,509 r2.15
Board:
  lines w0.01: 0,0 400,0 400,514 0,514 0,0
  lines w0.1: 103.865,84.6 cw(c103.865,85) 103.865,85.4 116.565,85.4 cw(c116.565,85) 116.565,84.6 103.865,84.6
UL:
  lines w0.1: 25,4.25 25,15.75 39,15.75 39,4.25 25,4.25
  text "UL Area" at 27,8.75 h1.59

## Text inside footprints (layer, text, board x,y; h text height)
VD1: Top Overlay "+" at 242.2,332.4 h1.6; Mechanical 13 "+" at 241.905,332.5 h1.25
VD2: Top Overlay "+" at 242.2,312.4 h1.6; Mechanical 13 "+" at 241.905,312.5 h1.25
VD3: Top Overlay "+" at 242.2,292.4 h1.6; Mechanical 13 "+" at 241.905,292.5 h1.25
VD4: Top Overlay "+" at 222.2,292.4 h1.6; Mechanical 13 "+" at 221.905,292.5 h1.25
VD5: Top Overlay "+" at 222.2,312.4 h1.6; Mechanical 13 "+" at 221.905,312.5 h1.25
VD6: Top Overlay "+" at 222.2,332.4 h1.6; Mechanical 13 "+" at 221.905,332.5 h1.25
VD7: Top Overlay "+" at 202.2,332.4 h1.6; Mechanical 13 "+" at 201.905,332.5 h1.25
VD8: Top Overlay "+" at 202.2,312.4 h1.6; Mechanical 13 "+" at 201.905,312.5 h1.25
VD9: Top Overlay "+" at 182.2,312.4 h1.6; Mechanical 13 "+" at 181.905,312.5 h1.25
VD10: Top Overlay "+" at 182.2,332.4 h1.6; Mechanical 13 "+" at 181.905,332.5 h1.25
VD11: Top Overlay "+" at 162.2,332.4 h1.6; Mechanical 13 "+" at 161.905,332.5 h1.25
VD12: Top Overlay "+" at 162.2,312.4 h1.6; Mechanical 13 "+" at 161.905,312.5 h1.25
VD13: Top Overlay "+" at 162.2,292.4 h1.6; Mechanical 13 "+" at 161.905,292.5 h1.25
VD14: Top Overlay "+" at 182.2,292.4 h1.6; Mechanical 13 "+" at 181.905,292.5 h1.25
VD15: Top Overlay "+" at 202.2,292.4 h1.6; Mechanical 13 "+" at 201.905,292.5 h1.25
VD16: Top Overlay "+" at 142.2,332.4 h1.6; Mechanical 13 "+" at 141.905,332.5 h1.25
VD17: Top Overlay "+" at 122.2,332.4 h1.6; Mechanical 13 "+" at 121.905,332.5 h1.25
VD18: Top Overlay "+" at 122.2,312.4 h1.6; Mechanical 13 "+" at 121.905,312.5 h1.25
VD19: Top Overlay "+" at 142.2,312.4 h1.6; Mechanical 13 "+" at 141.905,312.5 h1.25
VD20: Top Overlay "+" at 142.2,292.4 h1.6; Mechanical 13 "+" at 141.905,292.5 h1.25
VD21: Top Overlay "+" at 102.2,332.4 h1.6; Mechanical 13 "+" at 101.905,332.5 h1.25
VD22: Top Overlay "+" at 102.2,352.4 h1.6; Mechanical 13 "+" at 101.905,352.5 h1.25
VD23: Top Overlay "+" at 122.2,352.4 h1.6; Mechanical 13 "+" at 121.905,352.5 h1.25
VD24: Top Overlay "+" at 142.2,352.4 h1.6; Mechanical 13 "+" at 141.905,352.5 h1.25
VD25: Top Overlay "+" at 142.2,372.4 h1.6; Mechanical 13 "+" at 141.905,372.5 h1.25
VD26: Top Overlay "+" at 122.2,372.4 h1.6; Mechanical 13 "+" at 121.905,372.5 h1.25
VD27: Top Overlay "+" at 102.2,372.4 h1.6; Mechanical 13 "+" at 101.905,372.5 h1.25
VD28: Top Overlay "+" at 102.2,392.4 h1.6; Mechanical 13 "+" at 101.905,392.5 h1.25
VD29: Top Overlay "+" at 122.2,392.4 h1.6; Mechanical 13 "+" at 121.905,392.5 h1.25
VD30: Top Overlay "+" at 142.2,392.4 h1.6; Mechanical 13 "+" at 141.905,392.5 h1.25
VD31: Top Overlay "+" at 102.2,412.4 h1.6; Mechanical 13 "+" at 101.905,412.5 h1.25
VD32: Top Overlay "+" at 122.2,412.4 h1.6; Mechanical 13 "+" at 121.905,412.5 h1.25
VD33: Top Overlay "+" at 142.2,412.4 h1.6; Mechanical 13 "+" at 141.905,412.5 h1.25
VD34: Top Overlay "+" at 142.2,432.4 h1.6; Mechanical 13 "+" at 141.905,432.5 h1.25
VD35: Top Overlay "+" at 122.2,432.4 h1.6; Mechanical 13 "+" at 121.905,432.5 h1.25
VD36: Top Overlay "+" at 97.8,432.6 h1.6 r180; Mechanical 13 "+" at 98.095,432.5 h1.25 r180
VD37: Top Overlay "+" at 97.8,452.6 h1.6 r180; Mechanical 13 "+" at 98.095,452.5 h1.25 r180
VD38: Top Overlay "+" at 117.8,452.6 h1.6 r180; Mechanical 13 "+" at 118.095,452.5 h1.25 r180
VD39: Top Overlay "+" at 117.8,472.6 h1.6 r180; Mechanical 13 "+" at 118.095,472.5 h1.25 r180
VD40: Top Overlay "+" at 137.8,452.6 h1.6 r180; Mechanical 13 "+" at 138.095,452.5 h1.25 r180
VD41: Top Overlay "+" at 137.8,492.6 h1.6 r180; Mechanical 13 "+" at 138.095,492.5 h1.25 r180
VD42: Top Overlay "+" at 157.8,492.6 h1.6 r180; Mechanical 13 "+" at 158.095,492.5 h1.25 r180
VD43: Top Overlay "+" at 157.8,472.6 h1.6 r180; Mechanical 13 "+" at 158.095,472.5 h1.25 r180
VD44: Top Overlay "+" at 137.8,472.6 h1.6 r180; Mechanical 13 "+" at 138.095,472.5 h1.25 r180
VD45: Top Overlay "+" at 157.8,452.6 h1.6 r180; Mechanical 13 "+" at 158.095,452.5 h1.25 r180
VD46: Top Overlay "+" at 177.8,492.6 h1.6 r180; Mechanical 13 "+" at 178.095,492.5 h1.25 r180
VD47: Top Overlay "+" at 197.8,492.6 h1.6 r180; Mechanical 13 "+" at 198.095,492.5 h1.25 r180
VD48: Top Overlay "+" at 197.8,472.6 h1.6 r180; Mechanical 13 "+" at 198.095,472.5 h1.25 r180
VD49: Top Overlay "+" at 177.8,472.6 h1.6 r180; Mechanical 13 "+" at 178.095,472.5 h1.25 r180
VD50: Top Overlay "+" at 177.8,452.6 h1.6 r180; Mechanical 13 "+" at 178.095,452.5 h1.25 r180
VD51: Top Overlay "+" at 217.8,492.6 h1.6 r180; Mechanical 13 "+" at 218.095,492.5 h1.25 r180
VD52: Top Overlay "+" at 217.8,472.6 h1.6 r180; Mechanical 13 "+" at 218.095,472.5 h1.25 r180
VD53: Top Overlay "+" at 197.8,452.6 h1.6 r180; Mechanical 13 "+" at 198.095,452.5 h1.25 r180
VD54: Top Overlay "+" at 217.8,452.6 h1.6 r180; Mechanical 13 "+" at 218.095,452.5 h1.25 r180
VD55: Top Overlay "+" at 237.8,452.6 h1.6 r180; Mechanical 13 "+" at 238.095,452.5 h1.25 r180
VD56: Top Overlay "+" at 237.8,492.6 h1.6 r180; Mechanical 13 "+" at 238.095,492.5 h1.25 r180
VD57: Top Overlay "+" at 257.8,492.6 h1.6 r180; Mechanical 13 "+" at 258.095,492.5 h1.25 r180
VD58: Top Overlay "+" at 237.8,472.6 h1.6 r180; Mechanical 13 "+" at 238.095,472.5 h1.25 r180
VD59: Top Overlay "+" at 257.8,472.6 h1.6 r180; Mechanical 13 "+" at 258.095,472.5 h1.25 r180
VD60: Top Overlay "+" at 257.8,452.6 h1.6 r180; Mechanical 13 "+" at 258.095,452.5 h1.25 r180
VD61: Top Overlay "+" at 277.8,472.6 h1.6 r180; Mechanical 13 "+" at 278.095,472.5 h1.25 r180
VD62: Top Overlay "+" at 277.8,452.6 h1.6 r180; Mechanical 13 "+" at 278.095,452.5 h1.25 r180
VD63: Top Overlay "+" at 297.8,452.6 h1.6 r180; Mechanical 13 "+" at 298.095,452.5 h1.25 r180
VD64: Top Overlay "+" at 297.8,432.6 h1.6 r180; Mechanical 13 "+" at 298.095,432.5 h1.25 r180
VD65: Top Overlay "+" at 277.8,432.6 h1.6 r180; Mechanical 13 "+" at 278.095,432.5 h1.25 r180
VD66: Top Overlay "+" at 302.2,412.4 h1.6; Mechanical 13 "+" at 301.905,412.5 h1.25
VD67: Top Overlay "+" at 282.2,412.4 h1.6; Mechanical 13 "+" at 281.905,412.5 h1.25
VD68: Top Overlay "+" at 262.2,432.4 h1.6; Mechanical 13 "+" at 261.905,432.5 h1.25
VD69: Top Overlay "+" at 262.2,412.4 h1.6; Mechanical 13 "+" at 261.905,412.5 h1.25
VD70: Top Overlay "+" at 262.2,392.4 h1.6; Mechanical 13 "+" at 261.905,392.5 h1.25
VD71: Top Overlay "+" at 302.2,392.4 h1.6; Mechanical 13 "+" at 301.905,392.5 h1.25
VD72: Top Overlay "+" at 302.2,372.4 h1.6; Mechanical 13 "+" at 301.905,372.5 h1.25
VD73: Top Overlay "+" at 282.2,392.4 h1.6; Mechanical 13 "+" at 281.905,392.5 h1.25
VD74: Top Overlay "+" at 282.2,372.4 h1.6; Mechanical 13 "+" at 281.905,372.5 h1.25
VD75: Top Overlay "+" at 262.2,372.4 h1.6; Mechanical 13 "+" at 261.905,372.5 h1.25
VD76: Top Overlay "+" at 302.2,352.4 h1.6; Mechanical 13 "+" at 301.905,352.5 h1.25
VD77: Top Overlay "+" at 282.2,332.4 h1.6; Mechanical 13 "+" at 281.905,332.5 h1.25
VD78: Top Overlay "+" at 282.2,352.4 h1.6; Mechanical 13 "+" at 281.905,352.5 h1.25
VD79: Top Overlay "+" at 262.2,352.4 h1.6; Mechanical 13 "+" at 261.905,352.5 h1.25
VD80: Top Overlay "+" at 262.2,332.4 h1.6; Mechanical 13 "+" at 261.905,332.5 h1.25
VD81: Top Overlay "+" at 302.2,332.4 h1.6; Mechanical 13 "+" at 301.905,332.5 h1.25
VD82: Top Overlay "+" at 302.2,312.4 h1.6; Mechanical 13 "+" at 301.905,312.5 h1.25
VD83: Top Overlay "+" at 302.2,292.4 h1.6; Mechanical 13 "+" at 301.905,292.5 h1.25
VD84: Top Overlay "+" at 282.2,312.4 h1.6; Mechanical 13 "+" at 281.905,312.5 h1.25
VD85: Top Overlay "+" at 262.2,312.4 h1.6; Mechanical 13 "+" at 261.905,312.5 h1.25
VD86: Top Overlay "+" at 302.2,272.4 h1.6; Mechanical 13 "+" at 301.905,272.5 h1.25
VD87: Top Overlay "+" at 282.2,272.4 h1.6; Mechanical 13 "+" at 281.905,272.5 h1.25
VD88: Top Overlay "+" at 282.2,292.4 h1.6; Mechanical 13 "+" at 281.905,292.5 h1.25
VD89: Top Overlay "+" at 262.2,292.4 h1.6; Mechanical 13 "+" at 261.905,292.5 h1.25
VD90: Top Overlay "+" at 262.2,272.4 h1.6; Mechanical 13 "+" at 261.905,272.5 h1.25
VD91: Top Overlay "+" at 302.2,252.4 h1.6; Mechanical 13 "+" at 301.905,252.5 h1.25
VD92: Top Overlay "+" at 302.2,232.4 h1.6; Mechanical 13 "+" at 301.905,232.5 h1.25
VD93: Top Overlay "+" at 282.2,232.4 h1.6; Mechanical 13 "+" at 281.905,232.5 h1.25
VD94: Top Overlay "+" at 282.2,252.4 h1.6; Mechanical 13 "+" at 281.905,252.5 h1.25
VD95: Top Overlay "+" at 262.2,252.4 h1.6; Mechanical 13 "+" at 261.905,252.5 h1.25
VD96: Top Overlay "+" at 302.2,212.4 h1.6; Mechanical 13 "+" at 301.905,212.5 h1.25
VD97: Top Overlay "+" at 282.2,212.4 h1.6; Mechanical 13 "+" at 281.905,212.5 h1.25
VD98: Top Overlay "+" at 262.2,232.4 h1.6; Mechanical 13 "+" at 261.905,232.5 h1.25
VD99: Top Overlay "+" at 262.2,212.4 h1.6; Mechanical 13 "+" at 261.905,212.5 h1.25
VD100: Top Overlay "+" at 262.2,192.4 h1.6; Mechanical 13 "+" at 261.905,192.5 h1.25
VD101: Top Overlay "+" at 302.2,192.4 h1.6; Mechanical 13 "+" at 301.905,192.5 h1.25
VD102: Top Overlay "+" at 302.2,172.4 h1.6; Mechanical 13 "+" at 301.905,172.5 h1.25
VD103: Top Overlay "+" at 282.2,172.4 h1.6; Mechanical 13 "+" at 281.905,172.5 h1.25
VD104: Top Overlay "+" at 282.2,192.4 h1.6; Mechanical 13 "+" at 281.905,192.5 h1.25
VD105: Top Overlay "+" at 262.2,172.4 h1.6; Mechanical 13 "+" at 261.905,172.5 h1.25
VD106: Top Overlay "+" at 302.2,152.4 h1.6; Mechanical 13 "+" at 301.905,152.5 h1.25
VD107: Top Overlay "+" at 282.2,152.4 h1.6; Mechanical 13 "+" at 281.905,152.5 h1.25
VD108: Top Overlay "+" at 282.2,132.4 h1.6; Mechanical 13 "+" at 281.905,132.5 h1.25
VD109: Top Overlay "+" at 262.2,132.4 h1.6; Mechanical 13 "+" at 261.905,132.5 h1.25
VD110: Top Overlay "+" at 262.2,152.4 h1.6; Mechanical 13 "+" at 261.905,152.5 h1.25
VD111: Top Overlay "+" at 262.2,112.4 h1.6; Mechanical 13 "+" at 261.905,112.5 h1.25
VD112: Top Overlay "+" at 242.2,112.4 h1.6; Mechanical 13 "+" at 241.905,112.5 h1.25
VD113: Top Overlay "+" at 222.2,112.4 h1.6; Mechanical 13 "+" at 221.905,112.5 h1.25
VD114: Top Overlay "+" at 242.2,132.4 h1.6; Mechanical 13 "+" at 241.905,132.5 h1.25
VD115: Top Overlay "+" at 242.2,152.4 h1.6; Mechanical 13 "+" at 241.905,152.5 h1.25
VD116: Top Overlay "+" at 202.2,112.4 h1.6; Mechanical 13 "+" at 201.905,112.5 h1.25